# Altium PCB linecard.PcbDoc
Units mil, origin at the board's own origin, x right, y up, seen from the top; angles counter-clockwise.
Board outline 3400 x 2150 mil, 2 copper layers (Top Layer, Bottom Layer); 12 components, 0 nets, 249 pads, 1 vias.
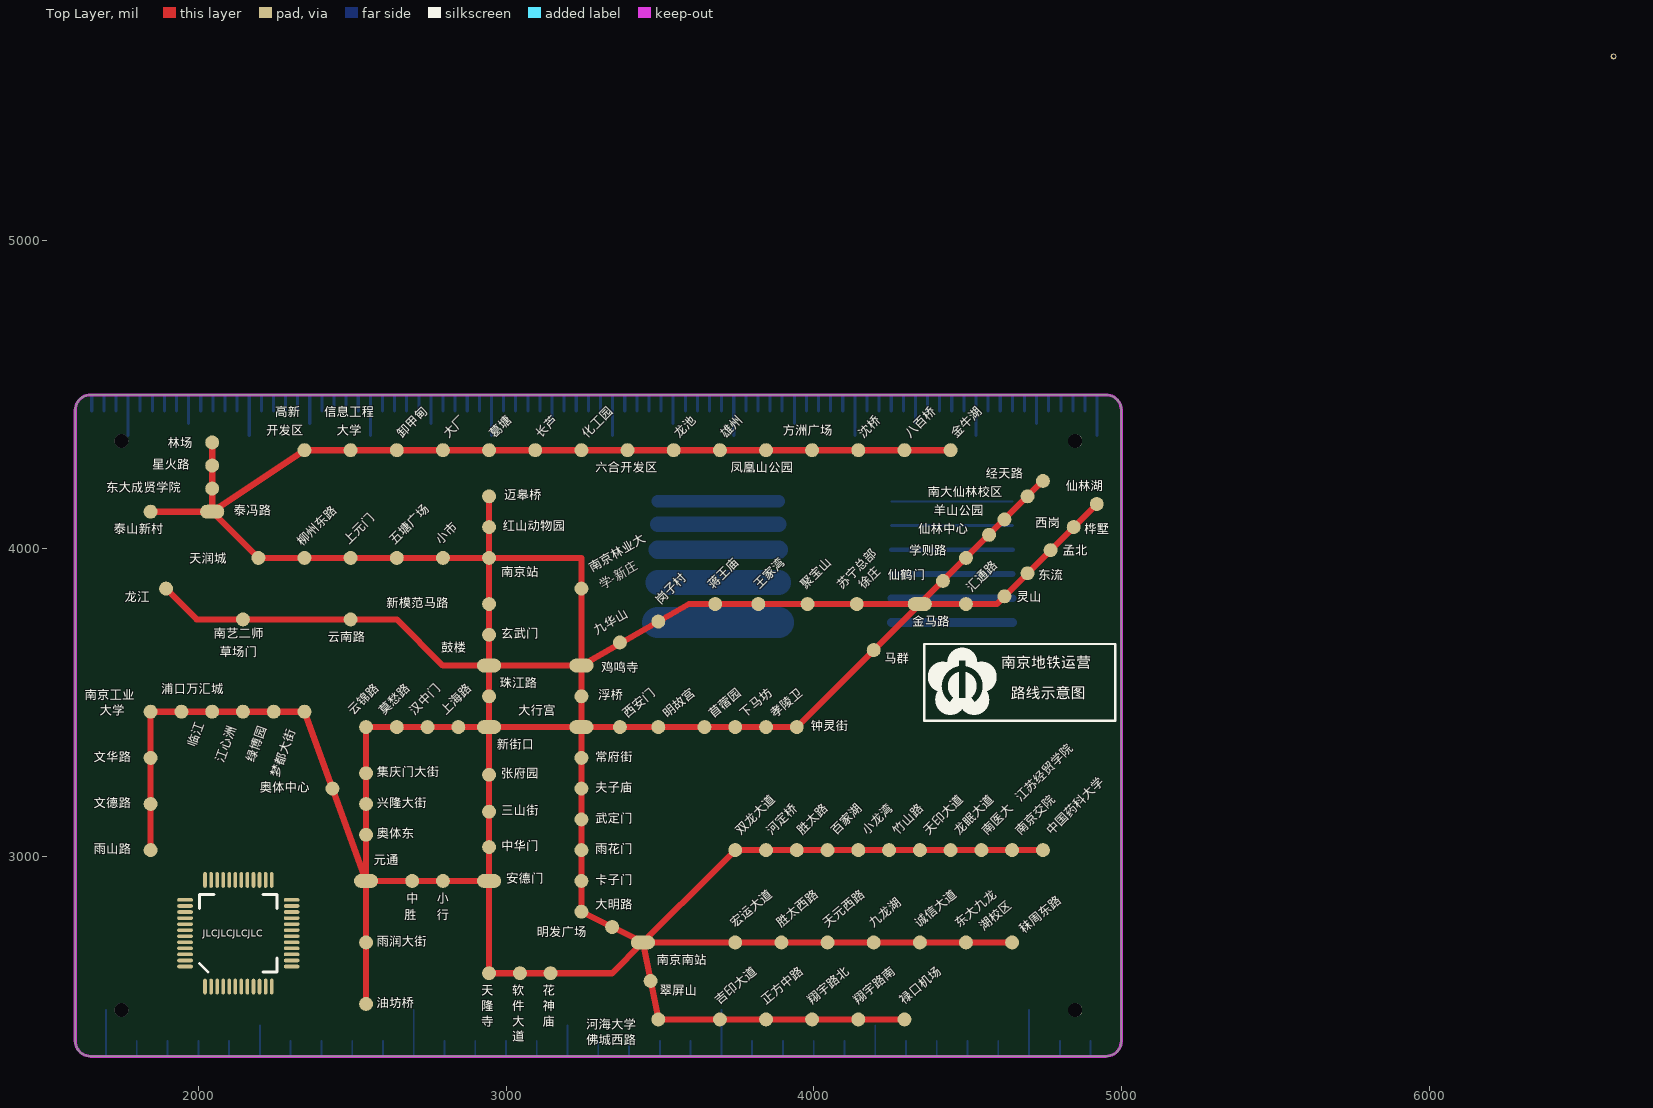
[diagram p0: Top Layer view]
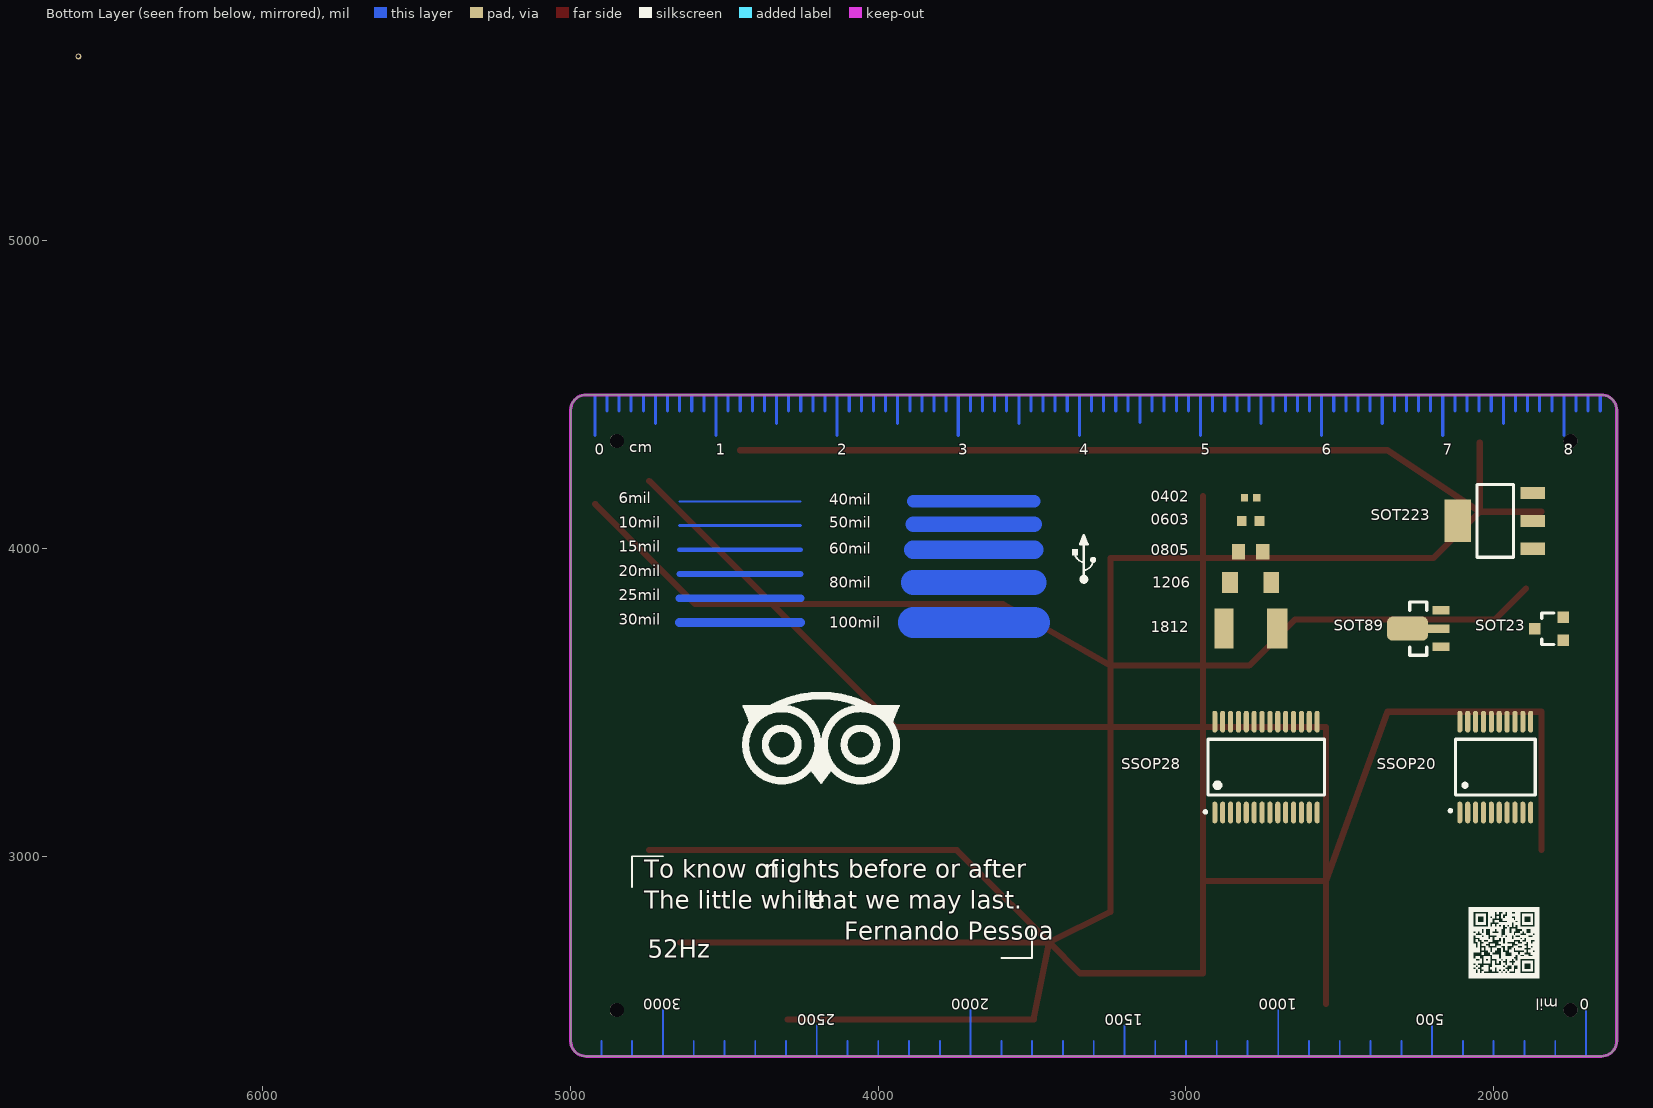
[diagram p1: Bottom Layer view, seen from below]

## Layer stack, top to bottom
Top Solder: solder mask 0.4, Solder Resist, Dk 3.5
Top Layer: signal copper 1.4
Dielectric 1: dielectric 12.6, FR-4, Dk 4.8
Bottom Layer: signal copper 1.4
Bottom Solder: solder mask 0.4, Solder Resist, Dk 3.5

## Board outline
1600,2400 1600,4450 cw(c1650,4450) 1650,4500 4950,4500 cw(c4950,4450) 5000,4450 5000,2400 cw(c4950,2400) 4950,2350 1650,2350 cw(c1650,2400)

## Design rules (kind name [scope] priority, off if disabled: settings)
Clearance [All] p1: gap=10
PolygonConnect [All] p1: connectstyle=Relief reliefconductorwidth=10 reliefentries=4 polygonreliefangle="90 Angle" airgapwidth=10
RoutingVias [All] p1: holewidth=28 width=50 viastyle="Through Hole" minholewidth=28 minwidth=50 maxholewidth=28 maxwidth=50
SolderMaskExpansion [All] p1: expansion=4
Width [All] p1: maxlimit=200 minlimit=6 preferedwidth=10
30 further rules are at their usual default settings.

## Components (designator, comment, footprint, x,y, rotation, side; value= is the part's Value field where it differs from the comment)
? "Comment" USB_LOGO 3330,3960 r180 bottom
? "Comment" SOT223_3 1994.75,4090 r180 bottom
? "Comment" SOT89 2245.06,3740 r180 bottom
? "Comment" SOT23_3 1820,3740 r180 bottom
? "Comment" SSOP_20 1994.75,3290 r180 bottom
? "Comment" SSOP_28 2740,3290 r180 bottom
? "Comment" FUSE_1812 2790,3740 r180 bottom
? "Comment" RESC_0805 2790,3990 r180 bottom
? "Comment" CAPC_0402 2790,4165 r180 bottom
? "Comment" LED_1206_G 2790,3890 r180 bottom
? "Comment" LED_0603_B 2790,4090 r180 bottom
? "Comment" LQFP_48_7X7 2130,2750 r0 top locked

## Footprints (in the part's own frame and the unit in brackets; to place one, negate y for a bottom-side part, rotate by r counter-clockwise, add the part's x,y. Pads: shape width x height; smd on the part's side, far side on the other; paste and mask are expansions set on the pad)
CAPC_0402 [mm]
  rect 0.6x0.6 smd mask+0.051: 1(-0.5,0) 2(0.5,0)
  body extent -0.5,-0.25 0.5,0.25, height 0.5
FUSE_1812 [mm]
  rect 1.6x3.3 smd: 1(-2.2,0)
  rect 1.7x3.3 smd: 2(2.2,0)
  body extent -2.32,-1.75 2.41,1.73, height 1.03
LED_0603_B [mm]
  rect 0.8x0.85 smd: 1(-0.73,0) 2(0.73,0)
  body extent -0.81,-0.4 0.81,0.4, height 0.6
LED_1206_G [mm]
  rect 1.3x1.7 smd: 1(-1.7,0) 2(1.7,0)
  body extent -1.6,-0.8 1.6,0.8, height 1.11
LQFP_48_7X7 [mm]
  oval 0.3x1.3 smd: 1(-2.75,-4.4) 2(-2.25,-4.4) 3(-1.75,-4.4) 4(-1.25,-4.4) 5(-0.75,-4.4) 6(-0.25,-4.4) 7(0.25,-4.4) 8(0.75,-4.4) 9(1.25,-4.4) 10(1.75,-4.4) 11(2.25,-4.4) 12(2.75,-4.4) 25(2.75,4.4) 26(2.25,4.4) 27(1.75,4.4) 28(1.25,4.4) 29(0.75,4.4) 30(0.25,4.4) 31(-0.25,4.4) 32(-0.75,4.4) 33(-1.25,4.4) 34(-1.75,4.4) 35(-2.25,4.4) 36(-2.75,4.4)
  oval 1.3x0.3 smd: 13(4.4,-2.75) 14(4.4,-2.25) 15(4.4,-1.75) 16(4.4,-1.25) 17(4.4,-0.75) 18(4.4,-0.25) 19(4.4,0.25) 20(4.4,0.75) 21(4.4,1.25) 22(4.4,1.75) 23(4.4,2.25) 24(4.4,2.75) 37(-4.4,2.75) 38(-4.4,2.25) 39(-4.4,1.75) 40(-4.4,1.25) 41(-4.4,0.75) 42(-4.4,0.25) 43(-4.4,-0.25) 44(-4.4,-0.75) 45(-4.4,-1.25) 46(-4.4,-1.75) 47(-4.4,-2.25) 48(-4.4,-2.75)
  silkscreen extent -3.2,-3.2 3.2,3.2, body extent -4.57,-4.57 4.57,4.57, height 1.62
RESC_0805 [mm]
  rect 1.1x1.3 smd: 1(-1,0) 2(1,0)
  body extent -1,-0.6 1,0.6, height 0.5
SOT23_3 [mm]
  rect 0.95x0.95 smd: 1(1.175,-0.95) 2(1.175,0.95) 3(-1.175,0)
  silkscreen extent -0.6,-1.3 0.4,1.3, body extent -1.34,-1.5 1.3,1.5, height 1.08
SOT89 [mm]
  rect 1.4x0.7 smd: 1(1.887,-1.5) 3(1.887,1.5)
  rrect50% 3.4x2 smd: 2(-0.888,0)
  rect 1.85x0.7 smd: 2(1.662,0)
  silkscreen extent -0.7,-2.2 0.7,2.2, body extent -2.08,-2.32 2.17,2.28, height 1.62
SOT223_3 [mm]
  rect 2x1 smd: 1(3.1,-2.3) 2(3.1,0) 3(3.1,2.3)
  rect 2.2x3.5 smd: 4(-3.1,0)
  silkscreen extent -1.5,-3 1.5,3, body extent -3.5,-3.25 3.5,3.25, height 1.64
SSOP_20 [mm] "0.65"
  oval 0.42x1.8 smd: 1(-2.925,-3.75) 2(-2.275,-3.75) 3(-1.625,-3.75) 4(-0.975,-3.75) 5(-0.325,-3.75) 6(0.325,-3.75) 7(0.975,-3.75) 8(1.625,-3.75) 9(2.275,-3.75) 10(2.925,-3.75) 11(2.925,3.75) 12(2.275,3.75) 13(1.625,3.75) 14(0.975,3.75) 15(0.325,3.75) 16(-0.325,3.75) 17(-0.975,3.75) 18(-1.625,3.75) 19(-2.275,3.75) 20(-2.925,3.75)
  silkscreen extent -3.8,-3.7 3.3,2.3, body extent -3.6,-3.9 3.6,3.9, height 1.9
SSOP_28 [mm] "0.65"
  oval 0.42x1.8 smd: 1(-4.225,-3.75) 2(-3.575,-3.75) 3(-2.925,-3.75) 4(-2.275,-3.75) 5(-1.625,-3.75) 6(-0.975,-3.75) 7(-0.325,-3.75) 8(0.325,-3.75) 9(0.975,-3.75) 10(1.625,-3.75) 11(2.275,-3.75) 12(2.925,-3.75) 13(3.575,-3.75) 14(4.225,-3.75) 15(4.225,3.75) 16(3.575,3.75) 17(2.925,3.75) 18(2.275,3.75) 19(1.625,3.75) 20(0.975,3.75) 21(0.325,3.75) 22(-0.325,3.75) 23(-0.975,3.75) 24(-1.625,3.75) 25(-2.275,3.75) 26(-2.925,3.75) 27(-3.575,3.75) 28(-4.225,3.75)
  silkscreen extent -5.1,-3.8 4.84,2.3, body extent -5.1,-3.9 5.1,3.9, height 1.9
USB_LOGO [mil]
  silkscreen extent -41,-67 33,84

## Free pads (board coordinates)
  round 45.35 hole 45.35 unplated paste+45.35 mask+5.83: 0(1750,2500) 0(1750,4350) 0(4850,2500) 0(4850,4350)
  round 45.35 smd mask+5.83: 2(1845,3020) 2(1845,3170) 2(1845,3320) 2(1845,3470) 2(1845,4120) 2(1895,3870) 2(1945,3470) 2(2045,3470) 2(2045,4195) 2(2045,4270) 2(2045,4345) 2(2145,3470) 2(2145,3770) 2(2195,3970) 2(2245,3470) 2(2345,3470) 2(2345,3970) 2(2345,4320) 2(2435.91,3220) 2(2495,3770) 2(2495,3970) 2(2495,4320) 2(2545,2520) 2(2545,2720) 2(2545,3070) 2(2545,3170) 2(2545,3270) 2(2545,3420) 2(2645,3420) 2(2645,3970) 2(2645,4320) 2(2695,2920) 2(2745,3420) 2(2795,2920) 2(2795,3970) 2(2795,4320) 2(2845,3420) 2(2945,2620) 2(2945,3030) 2(2945,3145) 2(2945,3265) 2(2945,3520) 2(2945,3720) 2(2945,3820) 2(2945,3970) 2(2945,4070) 2(2945,4170) 2(2945,4320) 2(3045,2620) 2(3095,4320) 2(3145,2620) 2(3245,2820) 2(3245,2920) 2(3245,3020) 2(3245,3120) 2(3245,3220) 2(3245,3320) 2(3245,3520) 2(3245,3870) 2(3245,4320) 2(3345,2770) 2(3370,3420) 2(3370,3695) 2(3395,4320) 2(3470,2595) 2(3495,2470) 2(3495,3420) 2(3495,3762.86) 2(3545,4320) 2(3645,3420) 2(3680,3820) 2(3695,2470) 2(3695,4320) 2(3745,2720) 2(3745,3020) 2(3745,3420) 2(3820,3820) 2(3845,2470) 2(3845,3020) 2(3845,3420) 2(3845,4320) 2(3895,2720) 2(3945,3020) 2(3945,3420) 2(3980,3820) 2(3995,2470) 2(3995,4320) 2(4045,2720) 2(4045,3020) 2(4140,3820) 2(4145,2470) 2(4145,3020) 2(4145,4320) 2(4195,2720) 2(4195,3670) 2(4245,3020) 2(4295,2470) 2(4295,4320) 2(4345,2720) 2(4345,3020) 2(4420,3895) 2(4445,3020) 2(4445,4320) 2(4495,2720) 2(4495,3820) 2(4495,3970) 2(4545,3020) 2(4570,4045) 2(4620,3845) 2(4620,4095) 2(4645,2720) 2(4645,3020) 2(4695,3920) 2(4695,4170) 2(4745,3020) 2(4745,4220) 2(4770,3995) 2(4845,4070) 2(4920,4145)
  oval 78.74x45.35 smd mask+5.83: 2(2045,4120) 2(2545,2920) 2(2945,2920) 2(2945,3420) 2(2945,3620) 2(3245,3420) 2(3245,3620) 2(3445,2720) 2(4345,3820)

## Via types
v1: diameter 20, hole 12, Top Layer to Bottom Layer, 1 vias

## Nets (pads, with @x,y where several pads share a name; then routed paths per layer and width w, separated by ;. In a path a pad name is that pad's centre, name@x,y a point inside that pad or via, vN(x,y) a via of type N, cw(c..) or ccw(c..) an arc to the next point about the centre after c; other vN are vias at no path point)
pads on no net: ?.1 ?.2 ?.3 ?.4 ?.5 ?.6 ?.7 ?.8 ?.9 ?.10 ?.11 ?.12 ?.13 ?.14 ?.15 ?.16 ?.17 ?.18 ?.19 ?.20 ?.21 ?.22 ?.23 ?.24 ?.25 ?.26 ?.27 ?.28 ?.29 ?.30 ?.31 ?.32 ?.33 ?.34 ?.35 ?.36 ?.37 ?.38 ?.39 ?.40 ?.41 ?.42 ?.43 ?.44 ?.45 ?.46 ?.47 ?.48
copper on no net: | length 31831.4
  Top Layer w20: 1845,3020 1845,3170 1845,3470 2345,3470 2545,2920 2945,2920 ; 1845,4120 2045,4120 ; 1895,3870 1995,3770 2645,3770 2795,3620 2945,3620 ; 2045,4345 2045,4270 2045,4120 ; 2545,2520 2545,3420 2945,3420 ; 2945,4170 2945,3620 ; 4295,2470 3495,2470 3445,2720 ; 4450,4320 2495,4320 2345,4320 2045,4120 ; 4645,2720 3445,2720 ; 4745,3020 3745,3020 3695,2970 3445,2720 ; 4745,4220 3945,3420 3495,3420 3245,3420 ; 4920,4145 4595,3820 4295,3820 3595,3820 3245,3620 ; 2045,4120 2195,3970 3245,3970 3245,3620 ; 2945,3420 3245,3420 ; 2945,3420 2945,3620 ; 2945,3420 2945,2620 3345,2620 3445,2720 ; 2945,3620 3245,3620 ; 3245,3420 3245,3620 ; 3245,3420 3245,3320 3245,2820 3445,2720
  Bottom Layer w6: 1700,2350 1700,2500 ; 1800,2350 1800,2400 ; 1900,2350 1900,2400 ; 2000,2350 2000,2400 ; 2100,2350 2100,2400 ; 2200,2350 2200,2450 ; 2300,2350 2300,2400 ; 2400,2350 2400,2400 ; 2500,2350 2500,2400 ; 2600,2350 2600,2400 ; 2700,2350 2700,2500 ; 2800,2350 2800,2400 ; 2900,2350 2900,2400 ; 3000,2350 3000,2400 ; 3100,2350 3100,2400 ; 3200,2350 3200,2450 ; 3300,2350 3300,2400 ; 3400,2350 3400,2400 ; 3500,2350 3500,2400 ; 3600,2350 3600,2400 ; 3700,2350 3700,2500 ; 3800,2350 3800,2400 ; 3900,2350 3900,2400 ; 4000,2350 4000,2400 ; 4100,2350 4100,2400 ; 4200,2350 4200,2450 ; 4252.68,4153.54 4646.38,4153.54 ; 4300,2350 4300,2400 ; 4400,2350 4400,2400 ; 4500,2350 4500,2400 ; 4600,2350 4600,2400 ; 4700,2350 4700,2500 ; 4800,2350 4800,2400 ; 4900,2350 4900,2400
  Bottom Layer w10: 1653.54,4446.85 1653.54,4498.03 ; 1692.91,4446.85 1692.91,4498.03 ; 1732.28,4446.85 1732.28,4498.03 ; 1771.65,4368.11 1771.65,4498.03 ; 1811.02,4446.85 1811.02,4498.03 ; 1850.39,4446.85 1850.39,4498.03 ; 1889.76,4446.85 1889.76,4498.03 ; 1929.13,4446.85 1929.13,4498.03 ; 1968.5,4407.48 1968.5,4498.03 ; 2007.87,4446.85 2007.87,4498.03 ; 2047.24,4446.85 2047.24,4498.03 ; 2086.61,4446.85 2086.61,4498.03 ; 2125.98,4446.85 2125.98,4498.03 ; 2165.35,4368.11 2165.35,4498.03 ; 2204.72,4446.85 2204.72,4498.03 ; 2244.09,4446.85 2244.09,4498.03 ; 2283.46,4446.85 2283.46,4498.03 ; 2322.83,4446.85 2322.83,4498.03 ; 2362.2,4407.48 2362.2,4498.03 ; 2401.57,4446.85 2401.57,4498.03 ; 2440.94,4446.85 2440.94,4498.03 ; 2480.31,4446.85 2480.31,4498.03 ; 2519.68,4446.85 2519.68,4498.03 ; 2559.05,4368.11 2559.05,4498.03 ; 2598.43,4446.85 2598.43,4498.03 ; 2637.8,4446.85 2637.8,4498.03 ; 2677.17,4446.85 2677.17,4498.03 ; 2716.54,4446.85 2716.54,4498.03 ; 2755.91,4407.48 2755.91,4498.03 ; 2795.28,4446.85 2795.28,4498.03 ; 2834.65,4446.85 2834.65,4498.03 ; 2874.02,4446.85 2874.02,4498.03 ; 2913.39,4446.85 2913.39,4498.03 ; 2952.76,4368.11 2952.76,4498.03 ; 2992.13,4446.85 2992.13,4498.03 ; 3031.5,4446.85 3031.5,4498.03 ; 3070.87,4446.85 3070.87,4498.03 ; 3110.24,4446.85 3110.24,4498.03 ; 3149.61,4409.45 3149.61,4498.03 ; 3188.98,4446.85 3188.98,4498.03 ; 3228.35,4446.85 3228.35,4498.03 ; 3267.72,4446.85 3267.72,4498.03 ; 3307.09,4446.85 3307.09,4498.03 ; 3346.46,4368.11 3346.46,4498.03 ; 3385.83,4446.85 3385.83,4498.03 ; 3425.2,4446.85 3425.2,4498.03 ; 3464.57,4446.85 3464.57,4498.03 ; 3503.94,4446.85 3503.94,4498.03 ; 3543.31,4407.48 3543.31,4498.03 ; 3582.68,4446.85 3582.68,4498.03 ; 3622.05,4446.85 3622.05,4498.03 ; 3661.42,4446.85 3661.42,4498.03 ; 3700.79,4446.85 3700.79,4498.03 ; 3740.16,4368.11 3740.16,4498.03 ; 3779.53,4446.85 3779.53,4498.03 ; 3818.9,4446.85 3818.9,4498.03 ; 3858.27,4446.85 3858.27,4498.03 ; 3897.64,4446.85 3897.64,4498.03 ; 3937.01,4407.48 3937.01,4498.03 ; 3976.38,4446.85 3976.38,4498.03 ; 4015.75,4446.85 4015.75,4498.03 ; 4055.12,4446.85 4055.12,4498.03 ; 4094.49,4446.85 4094.49,4498.03 ; 4133.86,4368.11 4133.86,4498.03 ; 4173.23,4446.85 4173.23,4498.03 ; 4212.6,4446.85 4212.6,4498.03 ; 4251.97,4446.85 4251.97,4498.03 ; 4252.68,4074.8 4646.38,4074.8 ; 4291.34,4446.85 4291.34,4498.03 ; 4330.71,4407.48 4330.71,4498.03 ; 4370.08,4446.85 4370.08,4498.03 ; 4409.45,4446.85 4409.45,4498.03 ; 4448.82,4446.85 4448.82,4498.03 ; 4488.19,4446.85 4488.19,4498.03 ; 4527.56,4368.11 4527.56,4498.03 ; 4566.93,4446.85 4566.93,4498.03 ; 4606.3,4446.85 4606.3,4498.03 ; 4645.67,4446.85 4645.67,4498.03 ; 4685.04,4446.85 4685.04,4498.03 ; 4724.41,4407.48 4724.41,4498.03 ; 4763.78,4446.85 4763.78,4498.03 ; 4803.15,4446.85 4803.15,4498.03 ; 4842.52,4446.85 4842.52,4498.03 ; 4881.89,4446.85 4881.89,4498.03 ; 4921.26,4368.11 4921.26,4498.03
  Bottom Layer w15: 4252.68,3996.06 4646.38,3996.06
  Bottom Layer w20: 4252.68,3917.32 4646.38,3917.32
  Bottom Layer w25: 4252.68,3838.58 4646.38,3838.58
  Bottom Layer w30: 4252.68,3759.84 4646.38,3759.84
  Bottom Layer w40: 3492.68,4153.54 3886.38,4153.54
  Bottom Layer w50: 3492.68,4079 3886.38,4079
  Bottom Layer w60: 3492.68,3996.06 3886.38,3996.06
  Bottom Layer w80: 3492.68,3890 3886.38,3890
  Bottom Layer w100: 3492.68,3759.84 3886.38,3759.84
  other v1: 6600,5600

## Keep-outs
Keep-Out Layer:
  the board outline again, w10

## Silkscreen, mask and mechanical layers (free items; w line width, h text height)
Top Overlay:
  drawing of 2674 lines, arcs and shapes, not listed
  text "高新" at 2250,4420 h50
  text "信息工程" at 2410,4420 h50
  text "开发区" at 2220,4360 h50
  text "大学" at 2450,4360 h50
  text "方洲广场" at 3900,4360 h50
  text "卸甲甸" at 2670,4350 h50 r45
  text "大厂" at 2820,4350 h50 r45
  text "葛塘" at 2970,4350 h50 r45
  text "长芦" at 3120,4350 h50 r45
  text "化工园" at 3270,4350 h50 r45
  text "龙池" at 3570,4350 h50 r45
  text "雄州" at 3720,4350 h50 r45
  text "沈桥" at 4170,4350 h50 r45
  text "八百桥" at 4320,4350 h50 r45
  text "金牛湖" at 4470,4350 h50 r45
  text "林场" at 1900,4320 h50
  text "星火路" at 1850,4250 h50
  text "六合开发区" at 3290,4240 h50
  text "凤凰山公园" at 3730,4240 h50
  text "经天路" at 4560,4220 h50
  text "仙林湖" at 4820,4180 h50
  text "东大成贤学院" at 1700,4175 h50
  text "南大仙林校区" at 4370,4160 h50
  text "迈皋桥" at 2995,4150 h50
  text "泰冯路" at 2115,4100 h50
  text "羊山公园" at 4390,4100 h50
  text "西岗" at 4720,4060 h50
  text "红山动物园" at 2990,4050 h50
  text "泰山新村" at 1725,4040 h50
  text "仙林中心" at 4340,4040 h50
  text "桦墅" at 4880,4040 h50
  text "上元门" at 2495,4005 h50 r45
  text "五塘广场" at 2645,4005 h50 r45
  text "小市" at 2795,4005 h50 r45
  text "柳州东路" at 2345,4000 h50 r45
  text "学则路" at 4310,3970 h50
  text "孟北" at 4810,3970 h50
  text "天润城" at 1970,3945 h50
  text "南京林业大" at 3285,3915 h50 r30
  text "南京站" at 2985,3900 h50
  text "仙鹤门" at 4240,3890 h50
  text "东流" at 4730,3890 h50
  text "学-新庄" at 3320,3860 h50 r30
  text "蒋王庙" at 3680,3860 h50 r45
  text "王家湾" at 3830,3860 h50 r45
  text "聚宝山" at 3980,3860 h50 r45
  text "苏宁总部" at 4100,3860 h50 r45
  text "徐庄" at 4170,3860 h50 r45
  text "汇通路" at 4520,3850 h50 r45
  text "龙江" at 1760,3820 h50
  text "灵山" at 4660,3820 h50
  text "岗子村" at 3510,3810 h50 r45
  text "新模范马路" at 2610,3800 h50
  text "金马路" at 4320,3740 h50
  text "九华山" at 3300,3710 h50 r30.47
  text "南艺二师" at 2050,3700 h50
  text "玄武门" at 2985,3700 h50
  text "云南路" at 2420,3690 h50
  text "鼓楼" at 2790,3655 h50
  text "草场门" at 2070,3640 h50
  text "马群" at 4230,3620 h50
  text "南京地铁运营" at 4610,3600 h60
  text "鸡鸣寺" at 3310,3590 h50
  text "珠江路" at 2980,3540 h50
  text "浦口万汇城" at 1880,3520 h50
  text "南京工业" at 1630,3500 h50
  text "浮桥" at 3300,3500 h50
  text "路线示意图" at 4640,3500 h60
  text "大学" at 1680,3450 h50
  text "云锦路" at 2510,3450 h50 r45
  text "莫愁路" at 2610,3450 h50 r45
  text "汉中门" at 2710,3450 h50 r45
  text "上海路" at 2810,3450 h50 r45
  text "大行宫" at 3040,3450 h50
  text "西安门" at 3400,3440 h50 r40
  text "明故宫" at 3530,3440 h50 r40
  text "苜蓿园" at 3680,3440 h50 r40
  text "下马坊" at 3780,3440 h50 r40
  text "孝陵卫" at 3880,3440 h50 r40
  text "钟灵街" at 3990,3400 h50
  text "临江" at 2000,3350 h50 r70
  text "新街口" at 2970,3340 h50
  text "文华路" at 1660,3300 h50
  text "江心洲" at 2090,3300 h50 r70
  text "绿博园" at 2190,3300 h50 r70
  text "常府街" at 3290,3300 h50
  text "梦都大街" at 2270,3250 h50 r70
  text "集庆门大街" at 2580,3250 h50
  text "张府园" at 2985,3245 h50
  text "奥体中心" at 2200,3200 h50
  text "夫子庙" at 3290,3200 h50
  text "江苏经贸学院" at 4680,3170 h50 r45
  text "文德路" at 1660,3150 h50
  text "兴隆大街" at 2580,3150 h50
  text "三山街" at 2985,3125 h50
  text "武定门" at 3290,3100 h50
  text "双龙大道" at 3770,3060 h50 r45
  text "河定桥" at 3870,3060 h50 r45
  text "胜太路" at 3970,3060 h50 r45
  text "百家湖" at 4080,3060 h50 r45
  text "小龙湾" at 4180,3060 h50 r45
  text "竹山路" at 4280,3060 h50 r45
  text "天印大道" at 4380,3060 h50 r45
  text "龙眠大道" at 4480,3060 h50 r45
  text "南医大" at 4570,3060 h50 r45
  text "南京交院" at 4680,3060 h50 r45
  text "中国药科大学" at 4780,3060 h50 r45
  text "奥体东" at 2580,3050 h50
  text "中华门" at 2985,3010 h50
  text "雨山路" at 1660,3000 h50
  text "雨花门" at 3290,3000 h50
  text "元通" at 2570,2965 h50
  text "安德门" at 3000,2905 h50
  text "卡子门" at 3290,2900 h50
  text "中" at 2675,2840 h50
  text "小" at 2775,2840 h50
  text "大明路" at 3290,2820 h50
  text "胜" at 2670,2785 h50
  text "行" at 2775,2785 h50
  text "宏运大道" at 3750,2760 h50 r40
  text "胜太西路" at 3900,2760 h50 r40
  text "天元西路" at 4050,2760 h50 r40
  text "九龙湖" at 4200,2760 h50 r40
  text "诚信大道" at 4350,2760 h50 r40
  text "东大九龙" at 4480,2760 h50 r40
  text "湖校区" at 4560,2750 h50 r40
  text "秣周东路" at 4690,2740 h50 r40
  text "JLCJLCJLCJLC" at 2015,2730 h39.37
  text "明发广场" at 3100,2730 h50
  text "雨润大街" at 2580,2700 h50
  text "南京南站" at 3490,2640 h50
  text "天" at 2920,2540 h50
  text "软" at 3020,2540 h50
  text "花" at 3120,2540 h50
  text "翠屏山" at 3500,2540 h50
  text "吉印大道" at 3700,2510 h50 r40
  text "正方中路" at 3850,2510 h50 r40
  text "翔宇路北" at 4000,2510 h50 r40
  text "翔宇路南" at 4150,2510 h50 r40
  text "禄口机场" at 4300,2510 h50 r40
  text "油坊桥" at 2580,2500 h50
  text "隆" at 2920,2490 h50
  text "件" at 3020,2490 h50
  text "神" at 3120,2490 h50
  text "寺" at 2920,2440 h50
  text "大" at 3020,2440 h50
  text "庙" at 3120,2440 h50
  text "河海大学" at 3260,2430 h50
  text "道" at 3020,2390 h50
  text "佛城西路" at 3260,2380 h50
Bottom Overlay:
  drawing of 3104 lines, arcs and shapes, not listed
  text "cm" at 4810,4300 h60
  text "8" at 1771.65,4291.34 h60
  text "7" at 2165.35,4291.34 h60
  text "6" at 2559.06,4291.34 h60
  text "5" at 2952.76,4291.34 h60
  text "4" at 3346.46,4291.34 h60
  text "3" at 3740.16,4291.34 h60
  text "2" at 4133.86,4291.34 h60
  text "1" at 4527.56,4291.34 h60
  text "0" at 4921.26,4291.34 h60
  text "0402" at 3115,4140 h60
  text "6mil" at 4843.23,4133.86 h60
  text "40mil" at 4160,4130 h60
  text "SOT223" at 2400,4080 h60
  text "0603" at 3115,4065 h60
  text "50mil" at 4160,4055 h60
  text "10mil" at 4843.23,4055.12 h60
  text "15mil" at 4843.23,3976.38 h60
  text "60mil" at 4160,3970 h60
  text "0805" at 3115,3965 h60
  text "20mil" at 4843.23,3897.64 h60
  text "1206" at 3110,3860 h60
  text "80mil" at 4160,3860 h60
  text "25mil" at 4843.23,3818.9 h60
  text "30mil" at 4843.23,3740.16 h60
  text "100mil" at 4160,3730 h60
  text "SOT23" at 2060,3720 h60
  text "SOT89" at 2520,3720 h60
  text "1812" at 3115,3715 h60
  text "SSOP20" at 2380,3270 h60
  text "SSOP28" at 3210,3270 h60
  text "nights before or after" at 4370,2910 h100
  text "To know of" at 4760,2910 h100
  text "that we may last." at 4230,2810 h100
  text "The little while" at 4760,2810 h100
  text "Fernando Pessoa" at 4110,2710 h100
  text "52Hz" at 4750,2650 h100
  text "0" at 1690,2550 h60 r180
  text "mil" at 1790,2550 h60 r180
  text "1000" at 2640,2550 h60 r180
  text "2000" at 3640,2550 h60 r180
  text "3000" at 4640,2550 h60 r180
  text "500" at 2160,2500 h60 r180
  text "1500" at 3140,2500 h60 r180
  text "2500" at 4140,2500 h60 r180
Top Solder:
  lines w20: 1845,3020 1845,3170 1845,3470 2345,3470 2545,2920 2945,2920 ; 1845,4120 2045,4120 ; 1895,3870 1995,3770 2645,3770 2795,3620 2945,3620 ; 2045,4345 2045,4270 2045,4120 ; 2545,2520 2545,3420 2945,3420 ; 2945,4170 2945,3620 ; 4295,2470 3495,2470 3445,2720 ; 4440,4320 2495,4320 2345,4320 2045,4120 ; 4645,2720 3445,2720 ; 4745,3020 3745,3020 3695,2970 3445,2720 ; 4745,4220 3945,3420 3495,3420 3245,3420 ; 4920,4145 4595,3820 4295,3820 3595,3820 3245,3620 ; 2045,4120 2195,3970 3245,3970 3245,3620 ; 2945,3420 3245,3420 ; 2945,3420 2945,3620 ; 2945,3420 2945,2620 3345,2620 3445,2720 ; 2945,3620 3245,3620 ; 3245,3420 3245,3620 ; 3245,3420 3245,3320 3245,2820 3445,2720
Bottom Solder:
  lines w6: 1700,2350 1700,2500 ; 1800,2350 1800,2400 ; 1900,2350 1900,2400 ; 2000,2350 2000,2400 ; 2100,2350 2100,2400 ; 2200,2350 2200,2450 ; 2300,2350 2300,2400 ; 2400,2350 2400,2400 ; 2500,2350 2500,2400 ; 2600,2350 2600,2400 ; 2700,2350 2700,2500 ; 2800,2350 2800,2400 ; 2900,2350 2900,2400 ; 3000,2350 3000,2400 ; 3100,2350 3100,2400 ; 3200,2350 3200,2450 ; 3300,2350 3300,2400 ; 3400,2350 3400,2400 ; 3500,2350 3500,2400 ; 3600,2350 3600,2400 ; 3700,2350 3700,2500 ; 3800,2350 3800,2400 ; 3900,2350 3900,2400 ; 4000,2350 4000,2400 ; 4100,2350 4100,2400 ; 4200,2350 4200,2450 ; 4252.68,4153.54 4646.38,4153.54 ; 4300,2350 4300,2400 ; 4400,2350 4400,2400 ; 4500,2350 4500,2400 ; 4600,2350 4600,2400 ; 4700,2350 4700,2500 ; 4800,2350 4800,2400 ; 4900,2350 4900,2400
  lines w10: 1653.54,4446.85 1653.54,4498.03 ; 1692.91,4446.85 1692.91,4498.03 ; 1732.28,4446.85 1732.28,4498.03 ; 1771.65,4368.11 1771.65,4498.03 ; 1811.02,4446.85 1811.02,4498.03 ; 1850.39,4446.85 1850.39,4498.03 ; 1889.76,4446.85 1889.76,4498.03 ; 1929.13,4446.85 1929.13,4498.03 ; 1968.5,4407.48 1968.5,4498.03 ; 2007.87,4446.85 2007.87,4498.03 ; 2047.24,4446.85 2047.24,4498.03 ; 2086.61,4446.85 2086.61,4498.03 ; 2125.98,4446.85 2125.98,4498.03 ; 2165.35,4368.11 2165.35,4498.03 ; 2204.72,4446.85 2204.72,4498.03 ; 2244.09,4446.85 2244.09,4498.03 ; 2283.46,4446.85 2283.46,4498.03 ; 2322.83,4446.85 2322.83,4498.03 ; 2362.2,4407.48 2362.2,4498.03 ; 2401.57,4446.85 2401.57,4498.03 ; 2440.94,4446.85 2440.94,4498.03 ; 2480.31,4446.85 2480.31,4498.03 ; 2519.68,4446.85 2519.68,4498.03 ; 2559.05,4368.11 2559.05,4498.03 ; 2598.43,4446.85 2598.43,4498.03 ; 2637.8,4446.85 2637.8,4498.03 ; 2677.17,4446.85 2677.17,4498.03 ; 2716.54,4446.85 2716.54,4498.03 ; 2755.91,4407.48 2755.91,4498.03 ; 2795.28,4446.85 2795.28,4498.03 ; 2834.65,4446.85 2834.65,4498.03 ; 2874.02,4446.85 2874.02,4498.03 ; 2913.39,4446.85 2913.39,4498.03 ; 2952.76,4368.11 2952.76,4498.03 ; 2992.13,4446.85 2992.13,4498.03 ; 3031.5,4446.85 3031.5,4498.03 ; 3070.87,4446.85 3070.87,4498.03 ; 3110.24,4446.85 3110.24,4498.03 ; 3149.61,4409.45 3149.61,4498.03 ; 3188.98,4446.85 3188.98,4498.03 ; 3228.35,4446.85 3228.35,4498.03 ; 3267.72,4446.85 3267.72,4498.03 ; 3307.09,4446.85 3307.09,4498.03 ; 3346.46,4368.11 3346.46,4498.03 ; 3385.83,4446.85 3385.83,4498.03 ; 3425.2,4446.85 3425.2,4498.03 ; 3464.57,4446.85 3464.57,4498.03 ; 3503.94,4446.85 3503.94,4498.03 ; 3543.31,4407.48 3543.31,4498.03 ; 3582.68,4446.85 3582.68,4498.03 ; 3622.05,4446.85 3622.05,4498.03 ; 3661.42,4446.85 3661.42,4498.03 ; 3700.79,4446.85 3700.79,4498.03 ; 3740.16,4368.11 3740.16,4498.03 ; 3779.53,4446.85 3779.53,4498.03 ; 3818.9,4446.85 3818.9,4498.03 ; 3858.27,4446.85 3858.27,4498.03 ; 3897.64,4446.85 3897.64,4498.03 ; 3937.01,4407.48 3937.01,4498.03 ; 3976.38,4446.85 3976.38,4498.03 ; 4015.75,4446.85 4015.75,4498.03 ; 4055.12,4446.85 4055.12,4498.03 ; 4094.49,4446.85 4094.49,4498.03 ; 4133.86,4368.11 4133.86,4498.03 ; 4173.23,4446.85 4173.23,4498.03 ; 4212.6,4446.85 4212.6,4498.03 ; 4251.97,4446.85 4251.97,4498.03 ; 4252.68,4074.8 4646.38,4074.8 ; 4291.34,4446.85 4291.34,4498.03 ; 4330.71,4407.48 4330.71,4498.03 ; 4370.08,4446.85 4370.08,4498.03 ; 4409.45,4446.85 4409.45,4498.03 ; 4448.82,4446.85 4448.82,4498.03 ; 4488.19,4446.85 4488.19,4498.03 ; 4527.56,4368.11 4527.56,4498.03 ; 4566.93,4446.85 4566.93,4498.03 ; 4606.3,4446.85 4606.3,4498.03 ; 4645.67,4446.85 4645.67,4498.03 ; 4685.04,4446.85 4685.04,4498.03 ; 4724.41,4407.48 4724.41,4498.03 ; 4763.78,4446.85 4763.78,4498.03 ; 4803.15,4446.85 4803.15,4498.03 ; 4842.52,4446.85 4842.52,4498.03 ; 4881.89,4446.85 4881.89,4498.03 ; 4921.26,4368.11 4921.26,4498.03
  lines w15: 4252.68,3996.06 4646.38,3996.06
  lines w20: 4252.68,3917.32 4646.38,3917.32
  lines w25: 4252.68,3838.58 4646.38,3838.58
  lines w30: 4252.68,3759.84 4646.38,3759.84
  lines w40: 3492.68,4153.54 3886.38,4153.54
  lines w50: 3492.68,4079 3886.38,4079
  lines w60: 3492.68,3996.06 3886.38,3996.06
  lines w80: 3492.68,3890 3886.38,3890
  lines w100: 3492.68,3759.84 3886.38,3759.84